# Altium PCB BitFury.PcbDoc (part 4 of 4) (continued)
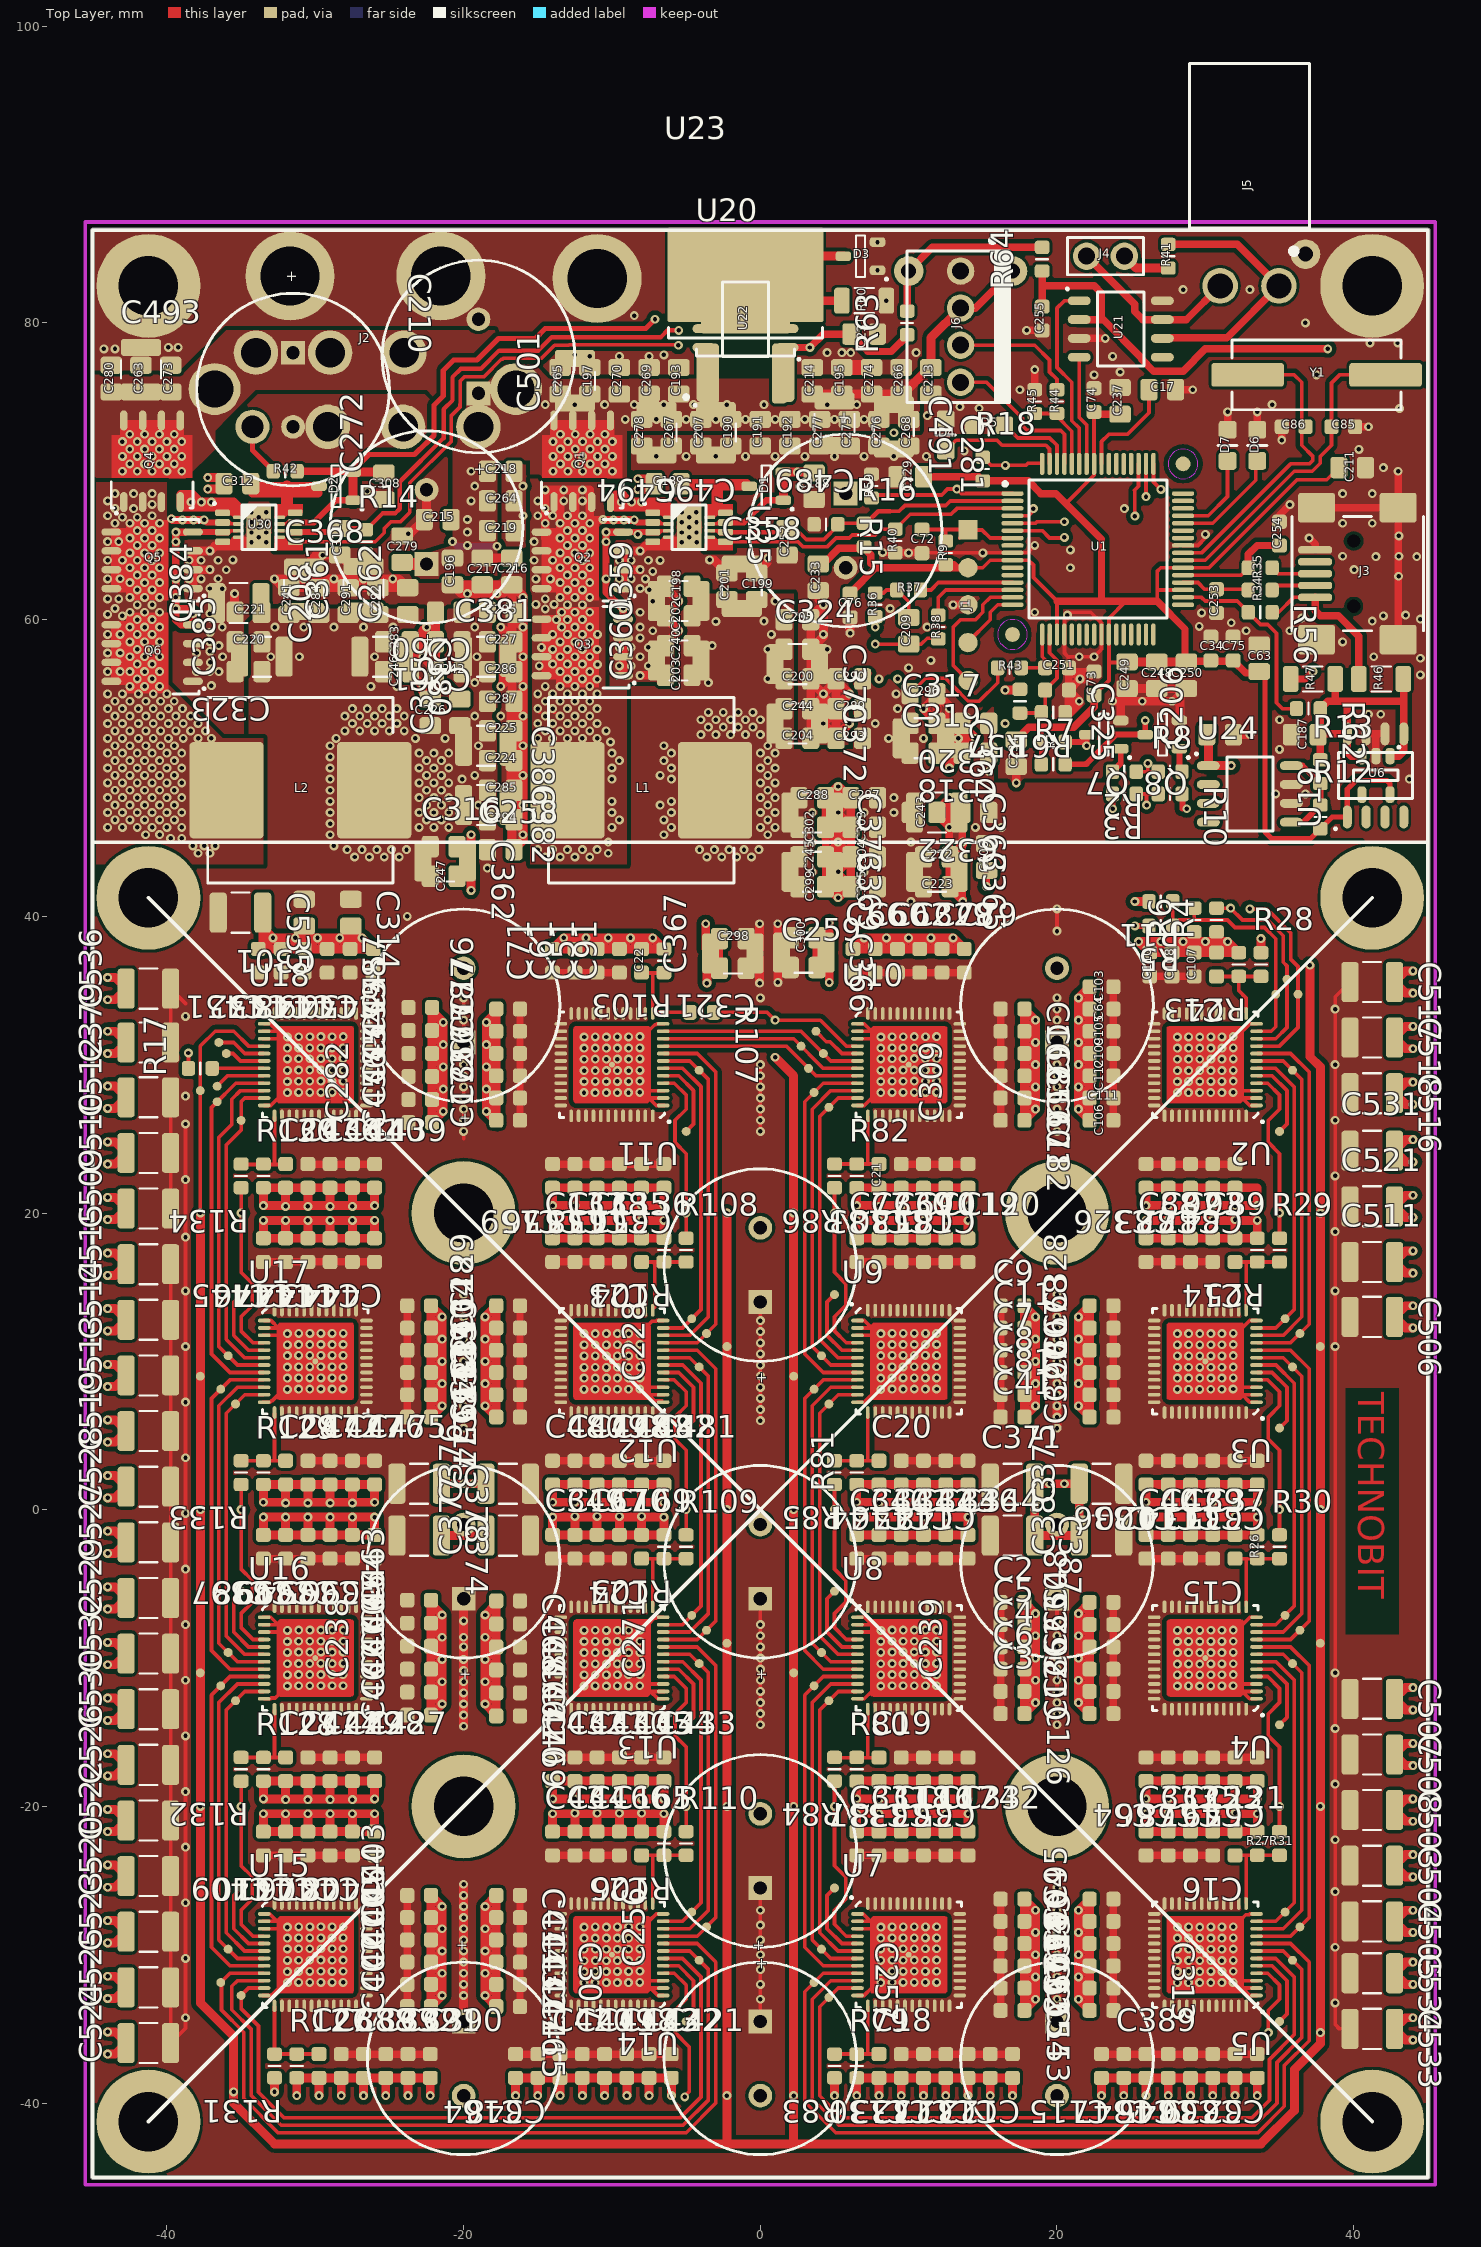
[diagram p0: Top Layer view]
## Nets (pads, with @x,y where several pads share a name; then routed paths per layer and width w, separated by ;. In a path a pad name is that pad's centre, name@x,y a point inside that pad or via, vN(x,y) a via of type N, cw(c..) or ccw(c..) an arc to the next point about the centre after c; other vN are vias at no path point) (continued)
  Top Layer w0.3: U25.6@-2.35,65.9 1.55,65.9 C252.1@1.8,66.15 ; R16.2@7.25,66.6 7.95,67.3 8.75,67.3
RED: D4.2 U1.63 | length 8.5
  Top Layer w0.25: D4.2@12.5,71.4 13.2,72.1 15.95,72.1 16.3,71.75 19.25,71.75 19.5,71.5 U1.63@19.5,70.5
RPM: R44.1 R45.2 U1.60 | length 5.3
  Top Layer w0.25: R45.2@18.5,73.9 R44.1@20,73.9 20,73.707 21,72.707 U1.60@21,70.5
RPMF: J6.3 R44.2 | length 8.6
  Top Layer w0.25: J6.3@13.5,78.5 18.5,78.5 19.5,77.5 19.5,76.7 20,76.2 R44.2@20,75.5
SPI_MISO0: pad.0@36.25,34.75 R2.1 R8.1 U2.9 | length 28
  Top Layer w0.25: R2.1@25.35,49.75 26.127,49.75 ; v1(26.127,50.31) 26.127,49.75 ; R8.1@26.827,49.75 26.127,49.75 ; v1(33,40.5) 34.15,40.5 35.75,38.9 35.75,37.116 36.25,36.616 pad.0@36.25,34.75 36.25,32.5 35,31.25 U2.9@33.525,31.25
  Mid-Top Layer w0.6: v1(26.127,50.31) 26.127,48.623 33,41.75 v1(33,40.5)
SPI_MISO1: pad.0@36.375,11.875 U2.8 U3.9 | length 25
  Top Layer w0.25: U3.9@33.525,11.25 35.75,11.25 37,12.5 37,29.5 35.75,30.75 U2.8@33.525,30.75
SPI_MISO2: pad.0@36.375,-8.125 U3.8 U4.9 | length 25
  Top Layer w0.25: U4.9@33.525,-8.75 35.75,-8.75 37,-7.5 37,9.5 35.75,10.75 U3.8@33.525,10.75
SPI_MISO3: pad.0@36.375,-28.125 U4.8 U5.9 | length 25
  Top Layer w0.25: U5.9@33.525,-28.75 35.75,-28.75 37,-27.5 37,-10.5 35.75,-9.25 U4.8@33.525,-9.25
SPI_MISO4: pad.0@3.625,-31.875 U5.8 U7.9 | length 59.7
  Top Layer w0.25: U7.9@6.475,-31.25 4.25,-31.25 3,-32.5 3,-39.914 5.086,-42 33.545,-42 35.325,-40.22 35.325,-37.47 37,-35.795 37,-30.5 35.75,-29.25 U5.8@33.525,-29.25
SPI_MISO5: pad.0@3.625,-11.875 U7.8 U8.9 | length 25
  Top Layer w0.25: U7.8@6.475,-30.75 4.25,-30.75 3,-29.5 3,-12.5 4.25,-11.25 U8.9@6.475,-11.25
SPI_MISO6: pad.0@3.625,8.125 U8.8 U9.9 | length 25
  Top Layer w0.25: U8.8@6.475,-10.75 4.25,-10.75 3,-9.5 3,7.5 4.25,8.75 U9.9@6.475,8.75
SPI_MISO7: pad.0@3.625,28.125 U9.8 U10.9 | length 25
  Top Layer w0.25: U9.8@6.475,9.25 4.25,9.25 3,10.5 3,27.5 4.25,28.75 U10.9@6.475,28.75
SPI_MISO8: pad.0@3.25,29.75 U10.8 U11.9 | length 13.8
  Top Layer w0.25: U11.9@-6.475,31.25 1.75,31.25 3.75,29.25 U10.8@6.475,29.25
SPI_MISO9: pad.0@-3.625,11.875 U11.8 U12.9 | length 25
  Top Layer w0.25: U12.9@-6.475,11.25 -4.25,11.25 -3,12.5 -3,29.5 -4.25,30.75 U11.8@-6.475,30.75
SPI_MISO10: pad.0@-3.625,-8.125 U12.8 U13.9 | length 25
  Top Layer w0.25: U13.9@-6.475,-8.75 -4.25,-8.75 -3,-7.5 -3,9.5 -4.25,10.75 U12.8@-6.475,10.75
SPI_MISO11: pad.0@-3.625,-28.125 U13.8 U14.9 | length 25
  Top Layer w0.25: U14.9@-6.475,-28.75 -4.25,-28.75 -3,-27.5 -3,-10.5 -4.25,-9.25 U13.8@-6.475,-9.25
SPI_MISO12: pad.0@-36.375,-31.875 U14.8 U15.9 | length 58.7
  Top Layer w0.25: U15.9@-33.525,-31.25 -35.75,-31.25 pad.0@-36.375,-31.875 -36.325,-31.925 -36.325,-33.72 -34.825,-35.22 -34.825,-39.683 -32.508,-42 -5,-42 -3,-40 -3,-30.5 -4.25,-29.25 U14.8@-6.475,-29.25
SPI_MISO13: pad.0@-36.375,-11.875 U15.8 U16.9 | length 25
  Top Layer w0.25: U15.8@-33.525,-30.75 -35.75,-30.75 -37,-29.5 -37,-12.5 -35.75,-11.25 U16.9@-33.525,-11.25
SPI_MISO14: pad.0@-36.375,8.125 U16.8 U17.9 | length 25
  Top Layer w0.25: U16.8@-33.525,-10.75 -35.75,-10.75 -37,-9.5 -37,7.5 -35.75,8.75 U17.9@-33.525,8.75
SPI_MISO15: pad.0@-36.617,27.5 U17.8 U18.9 | length 24.8
  Top Layer w0.25: U17.8@-33.525,9.25 -35.75,9.25 -37,10.5 -37,27.117 -36.765,27.352 -35.367,28.75 U18.9@-33.525,28.75
SPI_MISO16: pad.0@-36.617,28.55 U18.8 | length 3.4
  Top Layer w0.25: pad.0@-36.617,28.55 -35.917,29.25 U18.8@-33.525,29.25
SPI_MOSI0: pad.0@35.5,35.75 R3.1 R4.2 R10.1 U2.10 | length 25.4
  Top Layer w0.25: R3.1@25.34,48.25 26.083,48.25 ; v1(26.04,47.5) 26.04,48.207 26.083,48.25 ; R10.1@26.827,48.25 26.083,48.25 ; R4.2@30.75,40.55 v1(31.7,40.55) 32.5,39.75 34.193,39.75 35.25,38.693 35.25,36.909 35.5,36.659 pad.0@35.5,35.75 35.5,32.5 34.75,31.75 U2.10@33.525,31.75
  Mid-Top Layer w0.6: v1(26.04,47.5) 31.7,41.84 v1(31.7,40.55)
SPI_MOSI1: pad.0@35.875,29.625 U2.7 U3.10 | length 23
  Top Layer w0.25: U3.10@33.525,11.75 35.25,11.75 36.5,13 36.5,29 35.25,30.25 U2.7@33.525,30.25
SPI_MOSI2: pad.0@35.875,9.625 U3.7 U4.10 | length 23
  Top Layer w0.25: U4.10@33.525,-8.25 35.25,-8.25 36.5,-7 36.5,9 35.25,10.25 U3.7@33.525,10.25
SPI_MOSI3: pad.0@35.875,-10.375 U4.7 U5.10 | length 23
  Top Layer w0.25: U5.10@33.525,-28.25 35.25,-28.25 36.5,-27 36.5,-11 35.25,-9.75 U4.7@33.525,-9.75
SPI_MOSI4: pad.0@35.875,-30.375 U5.7 U7.10 | length 56.1
  Top Layer w0.25: U7.10@6.475,-31.75 4.75,-31.75 3.5,-33 3.5,-39.707 5.293,-41.5 33.338,-41.5 34.825,-40.013 34.825,-37.263 36.5,-35.588 36.5,-31 35.25,-29.75 U5.7@33.525,-29.75
SPI_MOSI5: pad.0@4.125,-29.625 U7.7 U8.10 | length 23
  Top Layer w0.25: U7.7@6.475,-30.25 4.75,-30.25 3.5,-29 3.5,-13 4.75,-11.75 U8.10@6.475,-11.75
SPI_MOSI6: pad.0@4.125,-9.625 U8.7 U9.10 | length 23
  Top Layer w0.25: U8.7@6.475,-10.25 4.75,-10.25 3.5,-9 3.5,7 4.75,8.25 U9.10@6.475,8.25
SPI_MOSI7: pad.0@4.125,10.375 U9.7 U10.10 | length 23
  Top Layer w0.25: U9.7@6.475,9.75 4.75,9.75 3.5,11 3.5,27 4.75,28.25 U10.10@6.475,28.25
SPI_MOSI8: pad.0@2.75,31.25 U10.7 U11.10 | length 13.8
  Top Layer w0.25: U11.10@-6.475,31.75 2.25,31.75 4.25,29.75 U10.7@6.475,29.75
SPI_MOSI9: pad.0@-4.125,29.625 U11.7 U12.10 | length 23
  Top Layer w0.25: U12.10@-6.475,11.75 -4.75,11.75 -3.5,13 -3.5,29 -4.75,30.25 U11.7@-6.475,30.25
SPI_MOSI10: pad.0@-4.125,9.625 U12.7 U13.10 | length 23
  Top Layer w0.25: U13.10@-6.475,-8.25 -4.75,-8.25 -3.5,-7 -3.5,9 -4.75,10.25 U12.7@-6.475,10.25
SPI_MOSI11: pad.0@-4.125,-10.375 U13.7 U14.10 | length 23
  Top Layer w0.25: U14.10@-6.475,-28.25 -4.75,-28.25 -3.5,-27 -3.5,-11 -4.75,-9.75 U13.7@-6.475,-9.75
SPI_MOSI12: pad.0@-4.125,-30.375 U14.7 U15.10 | length 54.8
  Top Layer w0.25: U15.10@-33.525,-31.75 -35.25,-31.75 -35.625,-32.125 -35.625,-33.713 -34.325,-35.013 -34.325,-39.476 -32.301,-41.5 -5.207,-41.5 -3.5,-39.793 -3.5,-31 -4.75,-29.75 U14.7@-6.475,-29.75
SPI_MOSI13: pad.0@-35.875,-29.625 U15.7 U16.10 | length 23
  Top Layer w0.25: U15.7@-33.525,-30.25 -35.25,-30.25 -36.5,-29 -36.5,-13 -35.25,-11.75 U16.10@-33.525,-11.75
SPI_MOSI14: pad.0@-35.875,-9.625 U16.7 U17.10 | length 23
  Top Layer w0.25: U16.7@-33.525,-10.25 -35.25,-10.25 -36.5,-9 -36.5,7 -35.25,8.25 U17.10@-33.525,8.25
SPI_MOSI15: pad.0@-35.875,10.375 U17.7 U18.10 | length 22.9
  Top Layer w0.25: U17.7@-33.525,9.75 -35.25,9.75 -36.5,11 -36.5,25.094 -35.625,25.969 -35.625,27.669 -35.044,28.25 U18.10@-33.525,28.25
SPI_MOSI16: R17.1 U18.7 | length 3.8
  Top Layer w0.25: R17.1@-36.95,29.75 R17.1@-36.7,29.75 ; R17.1@-36.95,30 R17.1@-36.7,29.75 ; U18.7@-33.525,29.75 -35.25,29.75 R17.1@-36.7,29.75
SPI_SCK0: pad.0@34.75,34.75 R5.1 R6.2 R11.1 U2.11 | length 17.4
  Top Layer w0.25: R11.1@27.8,41 R5.1@27.8,39.35 28.2,39.75 29.25,39.75 ; R6.2@29.25,40.55 29.25,39.75 ; U2.11@33.525,32.25 34.45,32.25 34.75,32.55 pad.0@34.75,34.75 34.75,38.486 33.986,39.25 32,39.25 31.5,39.75 29.25,39.75
SPI_SCK1: pad.0@35.375,12.875 U2.6 U3.11 | length 21
  Top Layer w0.25: U3.11@33.525,12.25 34.75,12.25 36,13.5 36,28.5 34.75,29.75 U2.6@33.525,29.75
SPI_SCK2: pad.0@35.375,-7.125 U3.6 U4.11 | length 21
  Top Layer w0.25: U4.11@33.525,-7.75 34.75,-7.75 36,-6.5 36,8.52 34.77,9.75 U3.6@33.525,9.75
SPI_SCK3: pad.0@35.375,-27.125 U4.6 U5.11 | length 21
  Top Layer w0.25: U5.11@33.525,-27.75 34.75,-27.75 36,-26.5 36,-11.48 34.77,-10.25 U4.6@33.525,-10.25
SPI_SCK4: pad.0@4.625,-32.875 U5.6 U7.11 | length 52.4
  Top Layer w0.25: U7.11@6.475,-32.25 5.25,-32.25 4,-33.5 4,-39.5 5.5,-41 33.131,-41 34.325,-39.806 34.325,-37.056 36,-35.381 36,-31.5 34.75,-30.25 U5.6@33.525,-30.25
SPI_SCK5: pad.0@4.625,-12.875 U7.6 U8.11 | length 21
  Top Layer w0.25: U7.6@6.475,-29.75 5.23,-29.75 4,-28.52 4,-13.5 5.25,-12.25 U8.11@6.475,-12.25
SPI_SCK6: pad.0@4.625,7.125 U8.6 U9.11 | length 21
  Top Layer w0.25: U8.6@6.475,-9.75 5.23,-9.75 4,-8.52 4,6.5 5.25,7.75 U9.11@6.475,7.75
SPI_SCK7: pad.0@4.625,27.125 U9.6 U10.11 | length 21
  Top Layer w0.25: U9.6@6.475,10.25 5.23,10.25 4,11.48 4,26.5 5.25,27.75 U10.11@6.475,27.75
SPI_SCK8: pad.0@4.25,30.75 U10.6 U11.11 | length 13.8
  Top Layer w0.25: U11.11@-6.475,32.25 2.75,32.25 4.75,30.25 U10.6@6.475,30.25
SPI_SCK9: pad.0@-4.625,12.875 U11.6 U12.11 | length 21
  Top Layer w0.25: U12.11@-6.475,12.25 -5.25,12.25 -4,13.5 -4,28.52 -5.23,29.75 U11.6@-6.475,29.75
SPI_SCK10: pad.0@-4.625,-7.125 U12.6 U13.11 | length 21
  Top Layer w0.25: U13.11@-6.475,-7.75 -5.25,-7.75 -4,-6.5 -4,8.52 -5.23,9.75 U12.6@-6.475,9.75
SPI_SCK11: pad.0@-4.625,-27.125 U13.6 U14.11 | length 21
  Top Layer w0.25: U14.11@-6.475,-27.75 -5.25,-27.75 -4,-26.5 -4,-11.48 -5.23,-10.25 U13.6@-6.475,-10.25
SPI_SCK12: pad.0@-35,-32.75 U14.6 U15.11 | length 50.9
  Top Layer w0.25: U15.11@-33.525,-32.25 -34.5,-32.25 pad.0@-35,-32.75 -35,-33.631 -33.825,-34.806 -33.825,-39.269 -32.094,-41 -5.414,-41 -4,-39.586 -4,-31.5 -5.25,-30.25 U14.6@-6.475,-30.25
SPI_SCK13: pad.0@-35.375,-12.875 U15.6 U16.11 | length 21
  Top Layer w0.25: U15.6@-33.525,-29.75 -34.77,-29.75 -36,-28.52 -36,-13.5 -34.75,-12.25 U16.11@-33.525,-12.25
SPI_SCK14: pad.0@-35.375,7.125 U16.6 U17.11 | length 21
  Top Layer w0.25: U16.6@-33.525,-9.75 -34.77,-9.75 -36,-8.52 -36,6.5 -34.75,7.75 U17.11@-33.525,7.75
SPI_SCK15: pad.0@-35,26.242 U17.6 U18.11 | length 21
  Top Layer w0.25: -34.965,27.535 -35,27.5 ; U17.6@-33.525,10.25 -34.77,10.25 -36,11.48 -36,24.584 -35,25.584 pad.0@-35,26.242 -35,27.5 ; U18.11@-33.525,27.75 -34.75,27.75 -35,27.5
SPI_SCK16: pad.0@-36,30.75 U18.6 | length 2.7
  Top Layer w0.25: pad.0@-36,30.75 -35.543,30.75 -35.043,30.25 U18.6@-33.525,30.25
SWN3: C312.2 L2.1 Q4.1 Q4.2 Q4.3 Q5.5 Q5.6 Q5.7 Q5.8 Q6.5 Q6.6 Q6.7 Q6.8 U30.2 | length 33
  Top Layer w0.4: v1(-37.5,66.725) -37.325,66.55 U30.2@-36.25,66.55
  Top Layer w0.55: v1(-39.7,66.8) -39.625,66.725 v1(-37.5,66.725)
  Top Layer w0.6: v1(-37.25,68.8) -36.52,68.8 C312.2@-36.15,69.17 -36.555,69.575 v1(-37.25,69.575)
  Mid-Top Layer w0.55: -40.725,66.725 v1(-37.5,66.725) -36.95,66.725
  Mid-Top Layer w0.6: -36.95,66.725 -36.15,67.525 -36.15,68.775 ; -36.15,68.775 -36.15,69.575 v1(-37.25,69.575) v1(-37.25,68.8) -36.175,68.8 -36.15,68.775
  Mid-Bottom Layer w0.25: -44,60 v1(-44,64) ; v1@-43.5,60.5 -43.5,63.5
  Mid-Bottom Layer w0.55: -40.725,66.725 v1(-37.5,66.725)
  Mid-Bottom Layer w0.6: v1(-37.5,66.725) -36.95,66.725 -36.15,67.525 -36.15,68.775 ; -36.15,68.775 -37.225,68.775 v1(-37.25,68.8) v1(-37.25,69.575) -36.15,69.575 -36.15,68.775
  Bottom Layer w0.6: v1(-42,57) v1@-41.975,56.975
  other v1: -37.9,44.25 -37.1,44.25 -38.25,44.75 -37.5,44.75 -36.75,44.75 -39.75,45.25 -39,45.25 -41.441,45.5 -40.5,45.513 -44,46 -43,46 -42,46 -41,46 -40,46 -39,46 -43.5,46.5 -42.5,46.5 -41.5,46.5 -40.5,46.5 -39.5,46.5 -44,47 -43,47 -42,47 -41,47 -40,47 -39,47 -43.5,47.5 -42.5,47.5 -41.5,47.5 -40.5,47.5 -39.5,47.5 -44,48 -43,48 -42,48 -41,48 -40,48 -39,48 -43.5,48.5 -42.5,48.5 -41.5,48.5 -40.5,48.5 -39.5,48.5 -44,49 -43,49 -42,49 -41,49 -40,49 -39,49 -43.5,49.5 -42.5,49.5 -41.5,49.5 -40.5,49.5 -39.5,49.5 -44,50 -43,50 -42,50 -41,50 -40,50 -39,50 -43.5,50.5 -42.5,50.5 -41.5,50.5 -40.5,50.5 -39.5,50.5 -44,51 -43,51 -42,51 -41,51 -40,51 -39,51 -43.5,51.5 -42.5,51.5 -41.425,51.5 -40.425,51.5 -39.5,51.5 -44,52 -43,52 -41.925,52 -40.925,52 -39.9,52 -38.9,52 -37.9,52 -37,52 -43.5,52.5 -42.5,52.5 -41.425,52.5 -40.425,52.5 -39.4,52.5 -38.4,52.5 -37.4,52.5 -44,53 -43,53 -41.925,53 -40.925,53 -39.9,53 -38.9,53 -37.9,53 -43.5,53.5 -42.5,53.5 -41.425,53.5 -40.425,53.5 -39.4,53.5 -38.4,53.5 -44,54 -43,54 -41.925,54 -40.925,54 -39.9,54 -38.95,54 -43.5,54.5 -42.5,54.5 -41.425,54.5 -40.425,54.5 -39.505,54.5 -44,55 -43,55 -41.925,55 -40.925,55 -40,55 -42.5,55.5 -41.5,55.5 -40.5,55.5 -42,56 -41,56 -44,56.5 -43.155,56.5 -42.5,56.5 -41.5,56.5 -40.5,56.5 -41,57 -42.5,57.5 -41.5,57.5 -40.5,57.5 -44,57.75 -43.155,57.75 -42,58 -41,58 -42.5,58.5 -41.5,58.5 -40.5,58.5 -44,59 -43.155,59 -42,59 -41,59 -42.5,59.5 -41.5,59.5 -40.5,59.5 -42,60 -41,60 -43,60.25 -44,60.35 -42.5,60.5 -41.5,60.5 -40.5,60.5 -43.5,60.75 -42,61 -41,61 -44,61.4 -43.25,61.4 -42.5,61.5 -41.5,61.5 -40.5,61.5 -42,62 -41,62 -42.5,62.5 -41.5,62.5 -40.5,62.5 -44,62.75 -43.155,62.755 -42,63 -41,63 -42.5,63.5 -41.5,63.5 -40.5,63.5 -43,64 -42,64 -41,64 -42.5,64.5 -41.5,64.5 -40.5,64.5 -42,65 -41,65 -44,65.258 -43.25,65.258 -42.5,65.5 -41.5,65.5 -40.5,65.5 -42,66 -41,66 -43.5,66.5 -42.5,66.5 -41.5,66.5 -40.5,66.5 -38.95,66.725 -38.2,66.725 -43,66.9 -42,66.9 -44,67 -41,67 -43.5,67.5 -42.25,67.488 -41.005,67.775 -44,68 -43.5,68.5 -42.25,68.5 -41.005,68.5
SWN4: C189.2 L1.1 Q1.1 Q1.2 Q1.3 Q2.5 Q2.6 Q2.7 Q2.8 Q3.5 Q3.6 Q3.7 Q3.8 R36.2 U25.2 | length 79.1
  Top Layer w0.25: v1@-14.905,53.78 v1@-14.875,53.75 ; v1@-13.905,53.78 v1@-13.875,53.75 ; -13.905,65.78 -13.875,65.75 ; v1(7.75,59.5) R36.2@7.75,60.45
  Top Layer w0.4: v1(-8.5,66.725) -8.325,66.55 U25.2@-7.25,66.55
  Top Layer w0.55: -11.275,66.725 v1(-8.5,66.725)
  Top Layer w0.6: -14.5,65.5 v1(-14.5,66.5) v1(-14.5,67.5) v1(-14.5,68.75) v1@-13.5,68.75 ; v1(-13.5,66.5) v1@-13.5,68.75 ; v1(-12.5,66.5) -12.5,68.75 ; v1(-11.5,66.5) -11.5,68.75 -12.5,68.75 ; v1(-8.25,68.775) -7.545,68.775 C189.2@-7.15,69.17 -7.48,69.5 v1(-8.25,69.5) ; v1@-13.5,68.75 -12.5,68.75
  Mid-Top Layer w0.55: -11.725,66.725 v1@-8.475,66.725
  Mid-Top Layer w0.6: v1(-12,67) -11.725,66.725 ; v1(-8.5,66.725) -7.95,66.725 -7.15,67.525 -7.15,68.75 ; v1(-8.25,68.775) -7.175,68.775 -7.15,68.75 ; -7.15,68.75 -7.15,69.17 ; -7.15,69.17 -8,69.17 -8.25,68.92 v1(-8.25,69.5) -7.225,69.5 -7.15,69.575 -7.15,69.17
  Mid-Bottom Layer w0.25: -15,60 v1@-15,64 ; v1@-14.5,60.5 -14.5,63.5 ; -13,48.5 -8.5,48.5 -8.25,48.75 -8.25,55.075 -6.05,57.275 5.525,57.275 v1(7.75,59.5)
  Mid-Bottom Layer w0.55: -11.725,66.725 v1@-8.4,66.725
  Mid-Bottom Layer w0.6: v1(-12,67) -11.725,66.725 ; v1(-8.5,66.725) -7.95,66.725 -7.15,67.525 -7.15,68.775 ; v1(-8.25,68.775) v1(-8.25,69.5) -7.225,69.5 -7.95,68.775 -7.15,68.775 ; -7.15,69.575 -7.15,68.775
  Bottom Layer w0.6: v1(-13,57) v1@-12.975,56.975
  other v1: -14.5,44 -13.5,44 -12.5,44 -11.5,44 -10.25,44.25 -15,44.5 -14,44.5 -13,44.5 -12,44.5 -11,44.5 -10.25,45 -10,46 -9.5,46.5 -10,47 -10,47.75 -10,49.25 -10,50 -9.5,50.5 -10,51 -10.1,51.75 -15,52 -14,52 -13,52 -12,52 -11,52 -14.5,52.5 -13.5,52.5 -12.5,52.5 -11.5,52.5 -10.4,52.5 -15,53 -14,53 -13,53 -12,53 -11,53 -14.5,53.5 -13.5,53.5 -12.5,53.5 -11.5,53.5 -15,54 -14,54 -13,54 -12,54 -11,54 -14.5,54.5 -13.5,54.5 -12.5,54.5 -11.5,54.5 -15,55 -14,55 -13,55 -12,55 -11,55 -14.5,55.5 -13.5,55.5 -12.5,55.5 -11.5,55.5 -11,55.98 -13,56 -12,56 -13.5,56.5 -12.5,56.5 -11.5,56.5 -14.905,56.88 -10.975,56.975 -14,57 -12,57 -13.5,57.5 -12.5,57.5 -11.5,57.5 -14,58 -13,58 -12,58 -11,58 -14.75,58.13 -13.5,58.5 -12.5,58.5 -11.5,58.5 -14,59 -13,59 -12,59 -10.975,59 -13.4,59.5 -12.5,59.5 -11.5,59.5 -13.75,60 -13,60 -12,60 -13.4,60.5 -12.5,60.5 -11.5,60.5 -14.5,60.73 -13,61 -12,61 -15.125,61.03 -13.905,61.03 -14.5,61.4 -13.5,61.5 -12.5,61.5 -11.5,61.5 -13,62 -12,62 -13.5,62.5 -12.5,62.5 -11.5,62.5 -15.125,62.75 -14.155,62.75 -13,63 -12,63 -13.5,63.5 -12.5,63.5 -11.5,63.5 -15.25,64.005 -14,64 -13,64 -12,64 -13.5,64.5 -12.5,64.5 -11.5,64.5 -13,65 -12,65 -15.25,65.258 -13.5,65.5 -12.5,65.5 -11.5,65.5 -13,66 -12,66 -9.888,66.725 -9.2,66.725 -10.6,66.75 -15,67 -14,67 -13,67 -15,68 -13.25,68 -12,68 -13.25,68.75 -12,68.75
U2RX: U1.31
U2TX: U1.32
USB5.0V: J3.1 R46.2 R56.2 | length 10.8
  Top Layer w0.25: R56.2@34.5,60.5 34.95,60.5 35.95,61.5 J3.1@37.4,61.5
  Top Layer w0.5: J3.1@37.4,61.5 37.4,60.6 37.75,60.25 38.974,60.25 40.35,58.874 R46.2@40.35,56
USBDM/D-: J3.2 R34.1 | length 5.8
  Top Layer w0.25: R34.1@34.5,62 34.8,62.3 J3.2@37.4,62.3 ; 35,62.3 J3.2@37.75,62.3
USBDP/D+: J3.3 R35.1 | length 3.4
  Top Layer w0.25: R35.1@34.5,63.5 34.9,63.1 J3.3@37.4,63.1 J3.3@37.75,63.1
USBMCU5.0V: R56.1 R62.1 U1.34 | length 13.5
  Top Layer w0.25: U1.34@28.45,61.5 U1.34@28.5,61.5 29.75,61.5 30,61.25 32.15,61.25 R56.1@32.9,60.5 33.725,59.675 34.208,59.675 34.8,59.083 34.8,54.4 35.2,54 R62.1@36.15,54
VCAP: C17.1 U1.56 | length 7.1
  Top Layer w0.25: U1.56@23,70.5 23,72 23.5,72.5 24.75,72.5 26.2,73.95 C17.1@26.2,75.5
YELLOW: D6.2 U1.44 | length 7.4
  Top Layer w0.25: U1.44@28.5,66.5 30.5,66.5 33.4,69.4 D6.2@33.4,70.7
pads on no net: J3.4 J3.10 J3.11 U1.8 U1.11 U1.12 U1.21 U1.22 U1.23 U1.24 U1.27 U1.28 U1.29 U1.30 U1.33 U1.46 U1.47 U1.48 U1.52 U1.53 U1.54 U1.55 U1.65 U1.66 U6.4 U19.2 U19.3 U19.4 U21.5 U24.2 U24.3 U24.4

## Polygon pours and split planes (outlines as drawn)
0.8V on Mid-Bottom Layer "MB 1.2V COIL" (solid, remove dead copper, pour order 68): -8.75,44.5 16.75,44.5 16.75,53.5 14.25,56 -1.805,56 -1.805,50.5 -6.03,50.5 -6,47.5 -8.75,47.5
SWN4 on Mid-Bottom Layer "MB SWN DRV4" (solid, remove dead copper, pour order 44): -9,48 -9,43.5 -15.5,43.5 -15.5,69.25 -10.488,69.25 -10.5,55 -8.75,55 -8.75,48
SWN3 on Mid-Bottom Layer "MB SWN DRV3" (solid, remove dead copper, pour order 40): -34.5,46.25 -37,43.75 -44.75,43.75 -44.75,69 -39.5,69 -39.5,55.1 -34.5,55.096
0.8V on Mid-Bottom Layer "MB 1.2V COIL" (solid, remove dead copper, pour order 67): -7.25,43.5 -0.024,43.5 0,56.25 -5.5,56.25 -7.25,54.5
12V on Mid-Bottom Layer "MB 12V" (solid, remove dead copper, pour order 53): -17.75,63 -17.75,70.75 -15.5,70.75 -15.5,69.5 -9,69.5 -9,72.75 8.5,72.75 8.5,77.25 -15.25,77.25 -17.5,79.5 -36.75,79.5 -39.125,75.75 -44.75,75.75 -44.75,69.5 -38.75,69.5 -36.75,71.5 -36.75,72.75 -35.75,73.75 -34,75.5 -22.5,75.5 -20.75,73.75 -20.75,71 -20.75,67.25 -23.5,64.5 -23.5,63
0.8V on Mid-Bottom Layer "MB 1.2V COIL DRV3" (solid, remove dead copper, pour order 54): -37.75,44.5 -18.25,44.5 -18.25,60.25 -34.25,60.25 -34.25,47.25
0.8V on Mid-Bottom Layer "MB 1.2V AVALON" (solid, remove dead copper, pour order 72): -45,45 45,45 45,-45 -45,-45
GND on Mid-Bottom Layer "MB GND AVALON HALF" (solid, remove dead copper, pour order 78): -41.25,41.25 41.25,41.25 41.25,-41.25 -41.25,-41.25
GND on Mid-Bottom Layer "MB GND MCU HALF" (solid, remove dead copper, pour order 77): -45,86.5 -44.863,86.363 -44.863,44.683 45.317,44.683 45,45 45,86.5
GND on Mid-Bottom Layer "MB GND DRV3" (solid, remove dead copper, pour order 60): -39.5,45.075 -16,45.075 -16,71 -21,71 -21,75 -32.5,75 -32.5,70.275 -27.75,70.25 -27.75,67.5 -39.5,67.5
GND on Mid-Bottom Layer "MB GND DRV4" (solid, remove dead copper, pour order 59): -10.5,57.5 2.5,57.5 2.5,68 -10.5,68
SWN3 on Mid-Top Layer "MT SWN DRV3" (solid, remove dead copper, pour order 46): -36.25,43.25 -44.7,43.234 -44.7,70.5 -39.5,70.5 -39.5,55.5 -36.25,52.25
SWN4 on Mid-Top Layer "MT SWN DRV4" (solid, remove dead copper, pour order 47): -9.25,43.5 -15.5,43.5 -15.5,70.5 -10.5,70.5 -10.5,53 -9.25,51.75
GND on Mid-Top Layer "MT GND BOARD" (solid, pour order 69): -45.5,86.75 -45.5,-45.5 45.5,-45.5 45.5,86.75
0.8V on Mid-Top Layer "MT 1.2V COIL DRV3" (solid, remove dead copper, pour order 58): -29.522,54.5 -20.027,54.5 -20.027,43 -29.609,43 -29.609,54.5
0.8V on Mid-Top Layer "MT 1.2V COIL" (solid, remove dead copper, pour order 57): -7.07,54.293 1.638,54.293 1.638,43.25 -7.15,43.25 -7.15,54.293
12V on Mid-Top Layer "MT12V 2" (solid, remove dead copper, pour order 51): -14,69.75 -10,69.75 -10,72.15 -10.5,72.75 -13.5,72.75 -14,72.15 -14,69.75
12V on Mid-Top Layer "MT12V 1" (solid, remove dead copper, pour order 50): -43.005,69.75 -39.005,69.75 -39.005,72.15 -39.505,72.75 -42.505,72.75 -43.005,72.15 -43.005,69.75
SWN3 on Bottom Layer "B SWN DRV3" (solid, remove dead copper, pour order 43): -36.5,43.75 -44.75,43.75 -44.7,69.25 -39.488,69.25 -39.5,55.25 -36.5,52.25
SWN4 on Bottom Layer "B SWN DRV4" (solid, remove dead copper, pour order 42): -9,43.5 -15.5,43.5 -15.468,69.25 -10.224,69.25 -10.25,53 -9,53
12V on Bottom Layer "B 12V 2" (solid, remove dead copper, pour order 49): -18.25,62 -19.75,62 -20.25,62.5 -22.25,62.5 -22.25,64.25 -20.5,64.25 -20.5,72.75 -16.75,76.5 6.25,76.5 8.5,74.25 8.5,72.75 -9.169,72.75 -9.5,72.5 -9.5,69.5 -14.5,69.5 -14.5,71 -18.25,71
GND on Bottom Layer "B GND DRV3" (solid, remove dead copper, pour order 64): -39,45.075 -14.035,45.075 -14.035,67.962 -14,68 -39,68
0.8V on Bottom Layer "B 1.2V COIL DRV4" (solid, remove dead copper, pour order 55): 1.708,54.5 1.708,43.25 -7.294,43.25 -7.294,54.5
0.8V on Bottom Layer "B 1.2V COIL DRV3" (solid, remove dead copper, pour order 56): -20.25,54.565 -20.25,43.388 -29.734,43.388 -29.734,54.565
12V on Bottom Layer "B 12V" (solid, remove dead copper, pour order 48): -45.25,69.5 -38.25,69.5 -38.25,71.5 -33.5,76.25 -23.75,76.25 -22.25,77.75 -22.25,79.75 -34.613,79.75 -36.863,77.5 -37.5,77.5 -38.5,76.5 -45.25,76.5
GND on Bottom Layer "B GND BOARD" (solid, pour order 70): -45.5,86.75 -45.5,-45.5 45.5,-45.5 45.5,86.75
GND on Bottom Layer "B GND DRV4" (solid, remove dead copper, pour order 63): -10,45.075 14.964,45.075 14.964,67.962 15,68 -10,68
SWN4 on Top Layer "T SWN DRV4" (solid, remove dead copper, pour order 41): -9,43.5 -15.5,43.5 -15.5,69.5 -10.5,69.5 -10.444,55.25 -9,55.25
SWN3 on Top Layer "T SWN DRV3" (solid, remove dead copper, pour order 45): -44.75,69.25 -40,69.25 -40,55.75 -36.25,52 -33.5,52 -33.5,43.5 -44.75,43.5
0.8V on Top Layer "T 1.2V COIL" (solid, remove dead copper, pour order 65): -9,44.5 17.5,44.5 15.75,46.25 15.75,54.25 14.25,52.75 14.25,50.375 11.25,50.375 11.25,53.5 8.25,56.5 6.25,56.5 6.25,51.25 2.25,51.25 2.25,61.75 -5.5,61.75 -5.5,55.5 -9,55.5
GND on Top Layer "T GND MCU HALF" (solid, remove dead copper, pour order 76): -45,86.5 -45,45 45,45 45,86.5
0.8V on Top Layer "T 1.2V AVALON" (solid, remove dead copper, pour order 71): -45,45 45,45 45,-45 -45,-45
0.8V on Top Layer "T 1.2V COIL DRV3" (solid, remove dead copper, pour order 66): -39.75,44.5 -18.25,44.5 -15.5,44.5 -17.75,46.75 -17.75,60.725 -33.5,60.75 -34.5,59.75 -34.5,49.75
12V on Top Layer "T 12V" (solid, remove dead copper, pour order 52): -17.75,62.75 -17.75,70.75 -15.5,70.75 -15.5,69.5 -9,69.5 -9,72.75 10.75,72.75 10.75,74.75 11.75,74.75 11.75,75.75 11.25,76.25 -14.25,76.25 -17.5,79.5 -36,79.5 -39,76.5 -45,76.5 -45,69.5 -38.75,69.5 -36.75,71.5 -36.75,72.75 -35.75,73.75 -34,75.5 -22.5,75.5 -20.75,73.75 -20.75,71 -20.75,65 -23.25,64.25 -23.25,62.75 -20.5,62.75
0.8V on Top Layer "T 1.2V SMALL" (solid, remove dead copper, pour order 74): 9,49 23.25,49 23.25,44.2 9,44.2

## Keep-outs
Keep-Out Layer:
  lines w0.25: -45.5,-3.5 -45.5,86.8 45.5,86.8 45.5,-3.5 ; -45.5,44.75 -45.5,-45.5 45.5,-45.5 45.5,44.5

## Other copper
Top Layer:
  region net HO3: -34.85,66.825 -34.85,67.775 -36.75,67.775 -36.75,67.2 -36.525,67.025 -35.675,67.025 -35.475,66.825
  region net PWM3H: -32.725,65.625 -32.75,64.675 -30.85,64.675 -30.85,65.25 -31.075,65.425 -31.9,65.425 -32.1,65.625
  region net GND: -34.175,65.575 -34.175,64.675 -36.75,64.675 -36.75,65.25 -36.525,65.4 -35.725,65.4 -35.55,65.575
  region net BOOT3: -32.725,66.825 -32.725,67.775 -30.85,67.775 -30.85,67.2 -31.075,67.025 -31.9,67.025 -32.1,66.825
  region net SWN3: -35.25,66.35 -35.25,66.575 -35.625,66.575 -35.825,66.775 -36.725,66.775 -36.725,66.35
  region net PWM3L: -32.35,66.1 -32.35,65.875 -31.975,65.875 -31.775,65.675 -30.875,65.675 -30.875,66.1
  region net 5.0V: -32.35,66.35 -32.35,66.575 -31.975,66.575 -31.775,66.775 -30.875,66.775 -30.875,66.35
  region net LO3: -35.25,66.1 -35.25,65.875 -35.625,65.875 -35.825,65.675 -36.725,65.675 -36.725,66.1
  region net LO4: -6.25,66.1 -6.25,65.875 -6.625,65.875 -6.825,65.675 -7.725,65.675 -7.725,66.1
  region net 5.0V: -3.35,66.35 -3.35,66.575 -2.975,66.575 -2.775,66.775 -1.875,66.775 -1.875,66.35
  region net PWM4L: -3.35,66.1 -3.35,65.875 -2.975,65.875 -2.775,65.675 -1.875,65.675 -1.875,66.1
  region net SWN4: -6.25,66.35 -6.25,66.575 -6.625,66.575 -6.825,66.775 -7.725,66.775 -7.725,66.35
  region net BOOT4: -3.725,66.825 -3.725,67.775 -1.85,67.775 -1.85,67.2 -2.075,67.025 -2.9,67.025 -3.1,66.825
  region net GND: -5.175,65.575 -5.175,64.675 -7.75,64.675 -7.75,65.25 -7.525,65.4 -6.725,65.4 -6.55,65.575
  region net PWM4H: -3.725,65.625 -3.75,64.675 -1.85,64.675 -1.85,65.25 -2.075,65.425 -2.9,65.425 -3.1,65.625
  region net HO4: -5.85,66.825 -5.85,67.775 -7.75,67.775 -7.75,67.2 -7.525,67.025 -6.675,67.025 -6.475,66.825
  text "TECHNOBIT" at 39.75,7.9 h3 r270

## Silkscreen, mask and mechanical layers (free items; w line width, h text height)
Top Overlay:
  lines w0.25: -45,-3.75 -45,86.25 45,86.25 45,-3.75 ; -41.25,-41.25 41.25,41.25 ; -41.25,41.25 41.25,-41.25 ; -45,-45 45,-45 45,45 -45,45 -45,-45
Bottom Solder:
  region: -22,20.5 -22,39.5 -38,39.5 -38,20.5
  region: -2,20.5 -1.882,39.5 -18,39.5 -18,20.5
  region: 38.078,20.5 38,36 22,36 22,20.5
  region: 18,20.5 18,39.5 2,39.5 2,20.5
  region: -22,-44 -22,-21 -38,-21 -38,-38.5 -32,-38.5 -32,-44
  region: -2,-38 -2,-20.5 -18,-21 -18,-44 -6,-44 -6,-38
  region: 18,-44 18,-21 2,-21 2,-38 6,-38 6,-44
  region: 38,-44.5 38,-36 33.5,-36 33.5,-34.5 38,-34.5 38,-20.5 22,-20.5 22,-44.5
  region: 34.5,37.5 25.5,37.5 25.5,-44.5 34.5,-44.5 34.5,-36.5 33.5,-36.5 33.5,-34.25 34.5,-34.25
  region: 15,37 6,37 6,-43 15,-43
  region: 18,-19.5 18,-0.5 2,-0.5 2,-19.5
  region: 38.078,-19.5 38.118,-0.5 22,-0.5 22,-19.5
  region: -1.922,-19.5 -1.882,-0.5 -18,-0.5 -18,-19.5
  region: -22,-19.5 -22,-0.5 -38,-0.5 -38,-19.5
  region: -25,38 -34,38 -34.5,-38 -25,-38
  region: 38,1 38,19.5 20.5,19.5 20.5,1
  region: 19.5,1 19.5,19.5 2,19.5 2,1
  region: -2,1 -2,19.5 -19.5,19.5 -19.5,1
  region: -6,39 -15,39 -15,-43 -6,-43
  region: -20.5,1 -20.5,19.5 -38,19.5 -38,1
  region: -39.505,44.5 -42,44.5 -45,44.5 -45,-45 -39.5,-45
  region: 40,-45 45,-45 45,45 40,45

## Dimensions
-20,-20 to 20,-20 on Top Overlay
-41.25,-41.25 to 41.25,-41.25 on Top Overlay
41.25,82.5 to -41.25,82.5 on Top Overlay
41.25,-41.25 to 41.25,41.25 on Top Overlay
20,20 to 20,-20 on Top Overlay
41.25,82.5 to 41.25,41.25 on Top Overlay

## Text inside footprints (layer, text, board x,y; h text height)
C208: Top Assy "+" at -22.336,60.186 h0.5 r90; Top Overlay "+" at -22.104,58.204 h0.75 r90
C210: Top Assy "+" at -31.664,81.564 h0.5 r270; Top Overlay "+" at -31.896,83.546 h0.75 r270
C228: Top Assy "+" at 0.164,10.436 h0.5 r90; Top Overlay "+" at 0.396,8.454 h0.75 r90
C238: Top Assy "+" at -19.836,-9.564 h0.5 r90; Top Overlay "+" at -19.604,-11.546 h0.75 r90
C239: Top Assy "+" at 20.164,-9.564 h0.5 r90; Top Overlay "+" at 20.396,-11.546 h0.75 r90
C256: Top Assy "+" at 0.164,-29.064 h0.5 r90; Top Overlay "+" at 0.396,-31.046 h0.75 r90
C257: Top Assy "+" at -0.164,-30.936 h0.5 r270; Top Overlay "+" at -0.396,-28.954 h0.75 r270
C271: Top Assy "+" at 0.164,-9.564 h0.5 r90; Top Overlay "+" at 0.396,-11.546 h0.75 r90
C272: Top Assy "+" at -18.836,71.686 h0.5 r90; Top Overlay "+" at -18.604,69.704 h0.75 r90
C281: Top Assy "+" at 5.586,72.064 h0.5 r270; Top Overlay "+" at 5.354,74.046 h0.75 r270
C282: Top Assy "+" at -19.836,27.936 h0.5 r90; Top Overlay "+" at -19.604,25.954 h0.75 r90
C307: Top Assy "+" at -20.164,-30.936 h0.5 r270; Top Overlay "+" at -20.396,-28.954 h0.75 r270
C309: Top Assy "+" at 20.164,27.936 h0.5 r90; Top Overlay "+" at 20.396,25.954 h0.75 r90
C313: Top Assy "+" at 19.836,-30.936 h0.5 r270; Top Overlay "+" at 19.604,-28.954 h0.75 r270
J2: Top Assy "4" at -35.691,73.3 h0.5 r180; Top Assy "1" at -17.31,73.3 h0.5 r180
J3: Top Assy "1" at 39.4,61.44 h0.5 r90; Top Assy "5" at 39.4,64.583 h0.5 r90
J4: Top Assy "1" at 20.96,83.55 h0.5
J5: Top Assy "1" at 35.09,84.75 h0.5 r180; Top Assy "2" at 31.197,84.75 h0.5 r180
J6: Top Assy "4" at 11.5,76 h0.5 r270; Top Assy "1" at 11.5,82 h0.5 r90